# Allegro board SDHCalFEB20180110.brd (continued)
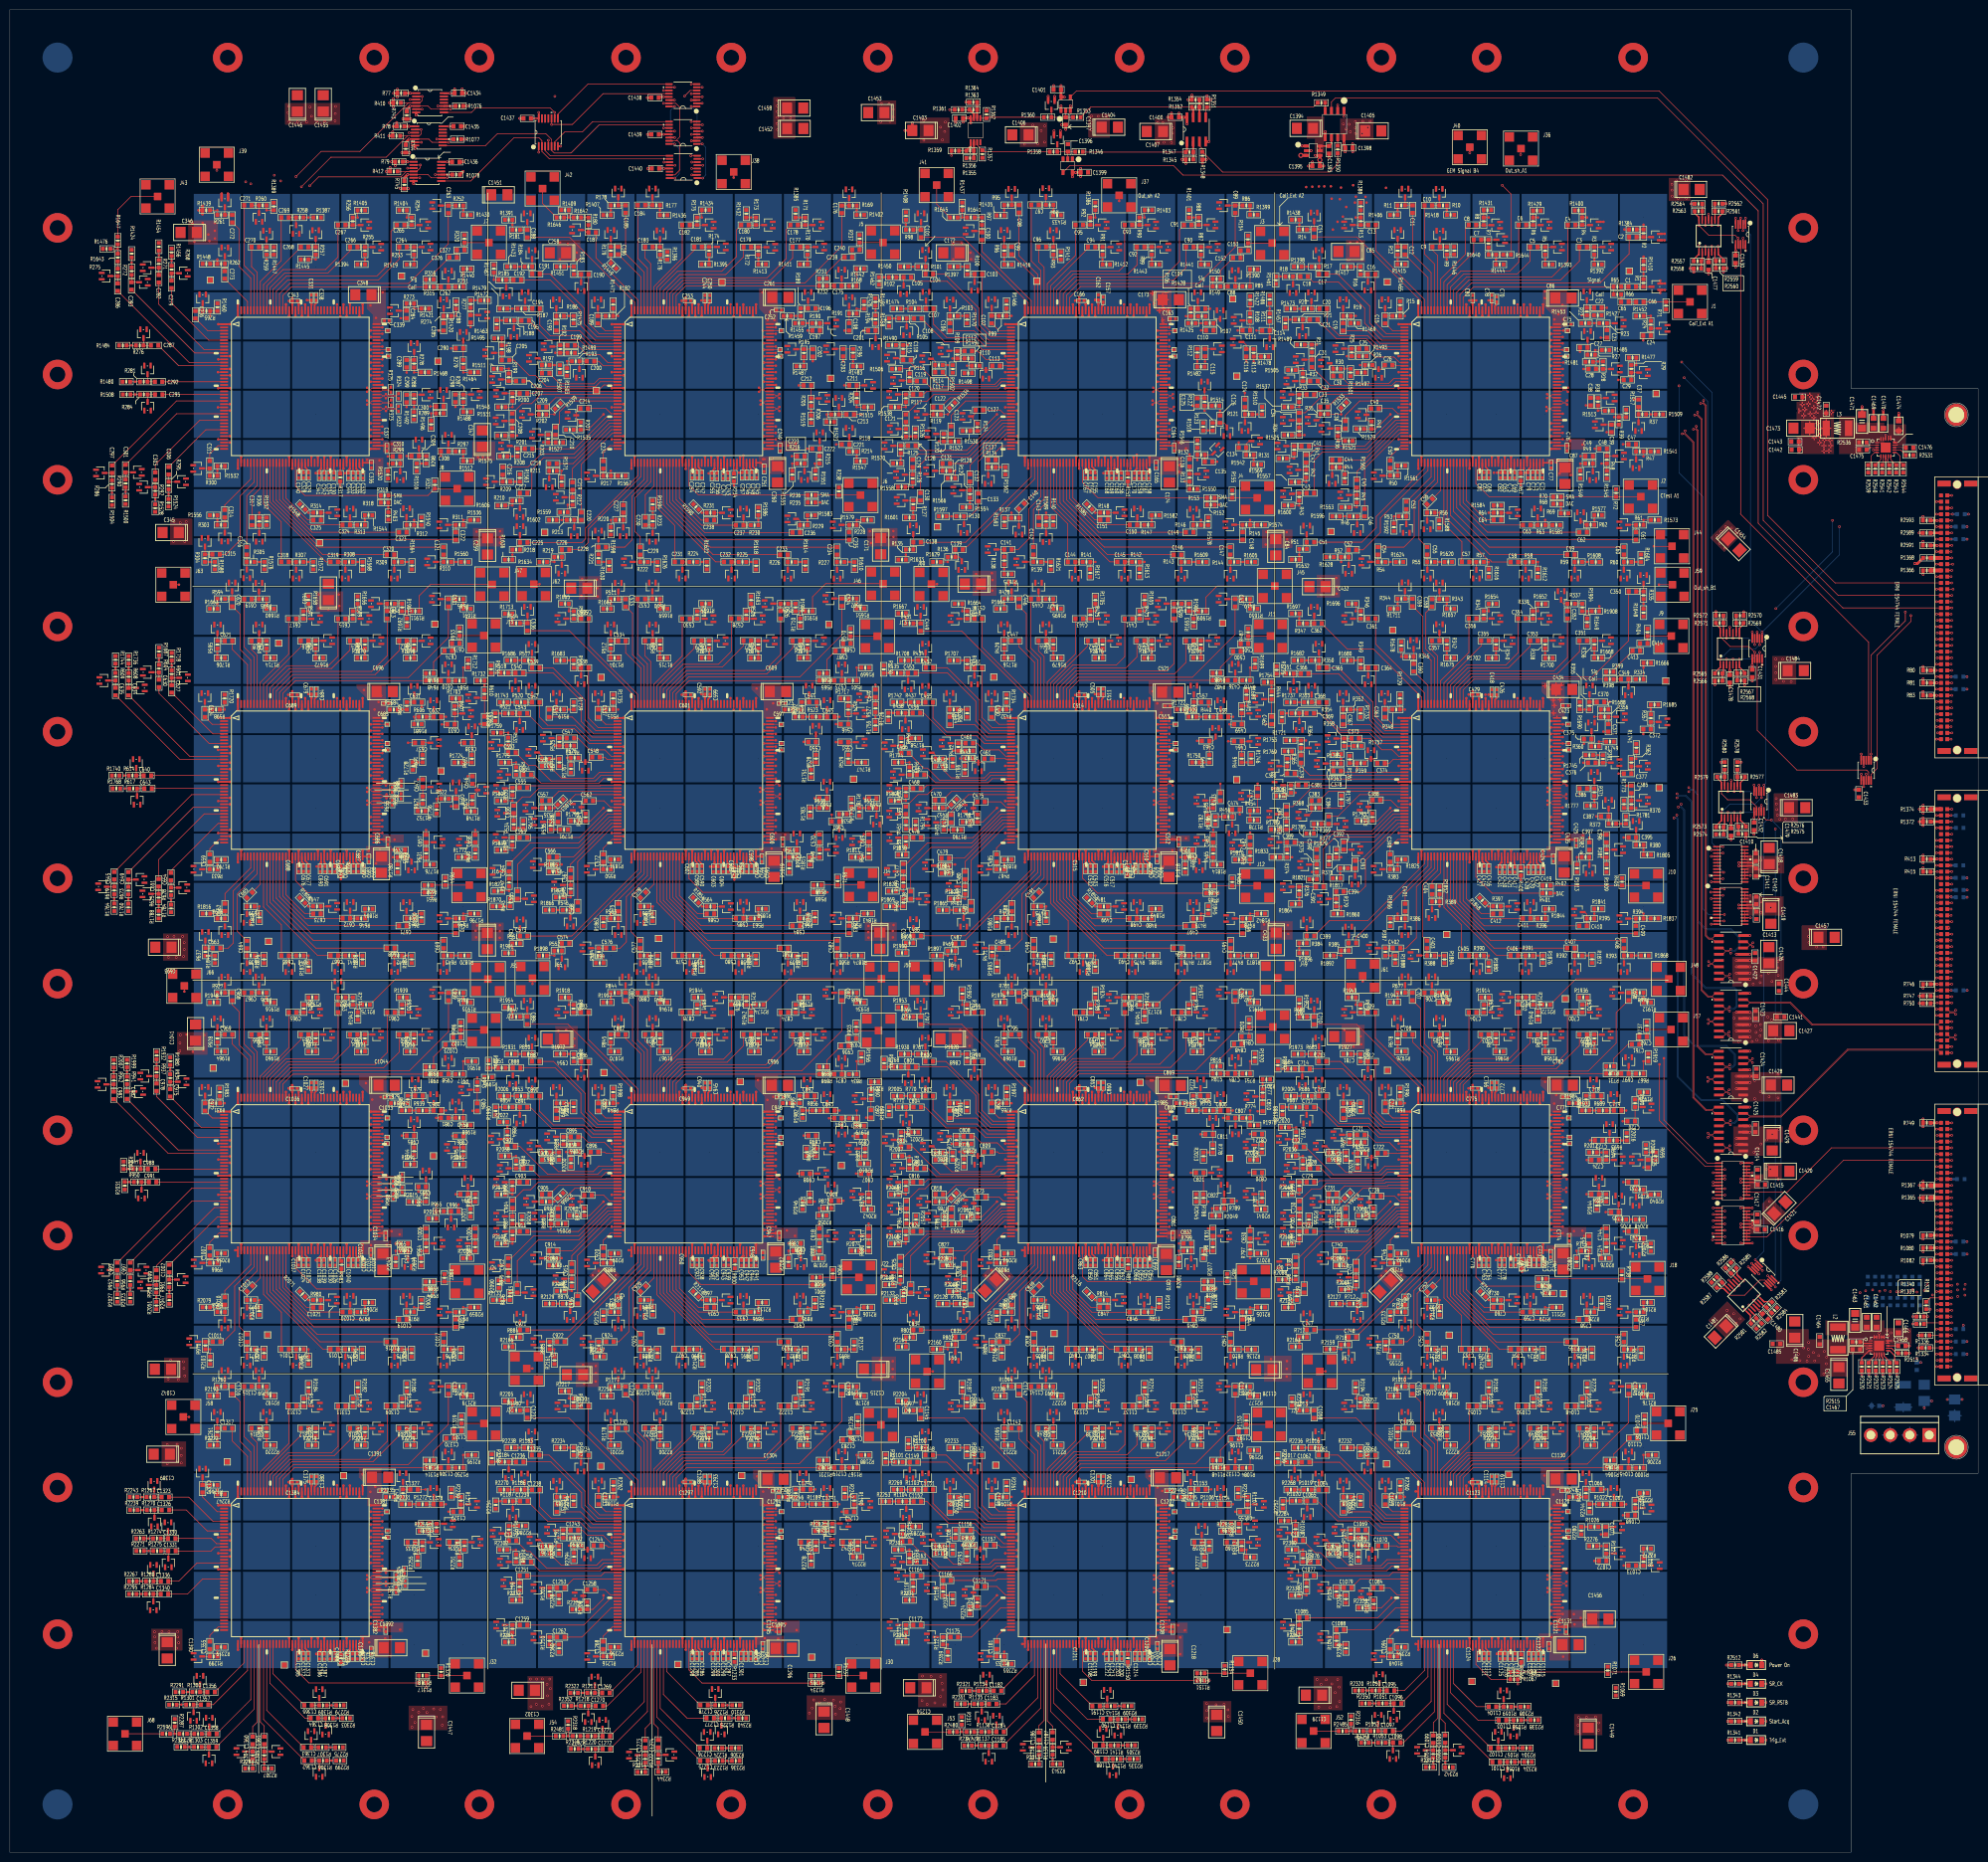
[diagram p0: board, top side]
## Nets (continued)
GND: C67.1 C68.1 C69.1 C70.1 C71.1 C72.1 C73.1 C74.1 C75.2 C76.2 C77.2 C78.2 C79.2 C80.2 C81.2 C82.2 C83.2 C84.2 C85.2 C86.2 C87.2 C154.1 C155.1 C156.1 C157.1 C158.1 C159.1 C160.1 C161.1 C162.2 C163.2 C164.2 C165.2 C166.2 C167.2 C168.2 C169.2 C170.2 C171.2 C172.2 C173.2 C174.2 C241.1 C242.1 C243.1 C244.1 C245.1 C246.1 C247.1 C248.1 C249.2 C250.2 C251.2 C252.2 C253.2 C254.2 C255.2 C256.2 C257.2 C258.2 C259.2 C260.2 C261.2 C328.1 C329.1 C330.1 C331.1 C332.1 C333.1 C334.1 C335.1 C336.2 C337.2 C338.2 C339.2 C340.2 C341.2 C342.2 C343.2 C344.2 C345.2 C346.2 C347.2 C348.2 C415.1 C416.1 C417.1 C418.1 C419.1 C420.1 C421.1 C422.1 C423.2 C424.2 C425.2 C426.2 C427.2 C428.2 C429.2 C430.2 C431.2 C432.2 C433.2 C434.2 C435.2 C502.1 C503.1 C504.1 C505.1 C506.1 C507.1 C508.1 C509.1 C510.2 C511.2 C512.2 C513.2 C514.2 C515.2 C516.2 C517.2 C518.2 C519.2 C520.2 C521.2 C522.2 C589.1 C590.1 C591.1 C592.1 C593.1 C594.1 C595.1 C596.1 C597.2 C598.2 C599.2 C600.2 C601.2 C602.2 C603.2 C604.2 C605.2 C606.2 C607.2 C608.2 C609.2 C676.1 C677.1 C678.1 C679.1 C680.1 C681.1 C682.1 C683.1 C684.2 C685.2 C686.2 C687.2 C688.2 C689.2 C690.2 C691.2 C692.2 C693.2 C694.2 C695.2 C696.2 C763.1 C764.1 C765.1 C766.1 C767.1 C768.1 C769.1 C770.1 C771.2 C772.2 C773.2 C774.2 C775.2 C776.2 C777.2 C778.2 C779.2 C780.2 C781.2 C782.2 C783.2 C850.1 C851.1 C852.1 C853.1 C854.1 C855.1 C856.1 C857.1 C858.2 C859.2 C860.2 C861.2 C862.2 C863.2 C864.2 C865.2 C866.2 C867.2 C868.2 C869.2 C870.2 C937.1 C938.1 C939.1 C940.1 C941.1 C942.1 C943.1 C944.1 C945.2 C946.2 C947.2 C948.2 C949.2 C950.2 C951.2 C952.2 C953.2 C954.2 C955.2 C956.2 C957.2 C1024.1 C1025.1 C1026.1 C1027.1 C1028.1 C1029.1 C1030.1 C1031.1 C1032.2 C1033.2 C1034.2 C1035.2 C1036.2 C1037.2 C1038.2 C1039.2 C1040.2 C1041.2 C1042.2 C1043.2 C1044.2 C1111.1 C1112.1 C1113.1 C1114.1 C1115.1 C1116.1 C1117.1 C1118.1 C1119.2 C1120.2 C1121.2 C1122.2 C1123.2 C1124.2 C1125.2 C1126.2 C1127.2 C1128.2 C1129.2 C1130.2 C1131.2 C1198.1 C1199.1 C1200.1 C1201.1 C1202.1 C1203.1 C1204.1 C1205.1 C1206.2 C1207.2 C1208.2 C1209.2 C1210.2 C1211.2 C1212.2 C1213.2 C1214.2 C1215.2 C1216.2 C1217.2 C1218.2 C1285.1 C1286.1 C1287.1 C1288.1 C1289.1 C1290.1 C1291.1 C1292.1 C1293.2 C1294.2 C1295.2 C1296.2 C1297.2 C1298.2 C1299.2 C1300.2 C1301.2 C1302.2 C1303.2 C1304.2 C1305.2 C1372.1 C1373.1 C1374.1 C1375.1 C1376.1 C1377.1 C1378.1 C1379.1 C1380.2 C1381.2 C1382.2 C1383.2 C1384.2 C1385.2 C1386.2 C1387.2 C1388.2 C1389.2 C1390.2 C1391.2 C1392.2 C1393.2 C1394.2 C1395.2 C1396.2 C1397.2 C1398.2 C1399.2 C1400.2 C1401.2 C1402.2 C1403.2 C1404.2 C1405.2 C1406.2 C1407.2 C1410.2 C1411.2 C1412.2 C1413.2 C1414.2 C1415.2 C1416.2 C1417.2 C1418.2 C1419.2 C1420.2 C1421.2 C1422.2 C1423.2 C1424.2 C1425.2 C1426.2 C1427.2 C1428.2 C1429.2 C1430.2 C1431.2 C1432.2 C1433.2 C1434.2 C1435.2 C1436.2 C1437.2 C1438.2 C1439.2 C1440.2 C1441.2 C1442.2 C1443.2 C1444.2 C1445.2 C1446.2 C1447.2 C1448.2 C1449.2 C1450.2 C1451.2 C1452.2 C1453.2 C1454.2 C1455.2 C1456.2 C1457.2 C1458.2 C1459.2 C1460.2 C1461.2 C1462.2 C1463.2 C1464.2 C1465.2 C1466.1 C1468.2 C1469.2 C1470.2 C1471.2 C1472.2 C1473.2 C1474.1 C1476.2 C1477.2 C1478.2 C1479.2 C1480.2 C1481.2 C1482.2 C1483.2 C1484.2 C1485.2 C1486.2 C1487.2 C1488.2 D6.2(CATHODE) G1.1 G2.1 G3.1 G4.1 GND.1 GND2.1 J1.2 J1.3 J1.4 J1.5 J2.2 J2.3 J2.4 J2.5 J3.2 J3.3 J3.4 J3.5 J4.2 J4.3 J4.4 J4.5 J5.2 J5.3 J5.4 J5.5 J6.2 J6.3 J6.4 J6.5 J7.2 J7.3 J7.4 J7.5 J8.2 J8.3 J8.4 J8.5 J9.2 J9.3 J9.4 J9.5 J10.2 J10.3 J10.4 J10.5 J11.2 J11.3 J11.4 J11.5 J12.2 J12.3 J12.4 J12.5 J13.2 J13.3 J13.4 J13.5 J14.2 J14.3 J14.4 J14.5 J15.2 J15.3 J15.4 J15.5 J16.2 J16.3 J16.4 J16.5 J17.2 J17.3 J17.4 J17.5 J18.2 J18.3 J18.4 J18.5 J19.2 J19.3 J19.4 J19.5 J20.2 J20.3 J20.4 J20.5 J21.2 J21.3 J21.4 J21.5 J22.2 J22.3 J22.4 J22.5 J23.2 J23.3 J23.4 J23.5 J24.2 J24.3 J24.4 J24.5 J25.2 J25.3 J25.4 J25.5 J26.2 J26.3 J26.4 J26.5 J27.2 J27.3 J27.4 J27.5 J28.2 J28.3 J28.4 J28.5 J29.2 J29.3 J29.4 J29.5 J30.2 J30.3 J30.4 J30.5 J31.2 J31.3 J31.4 J31.5 J32.2 J32.3 J32.4 J32.5 J33.1(GND#1) J33.2(GND#2) J33.3(GND#3) J33.4(GND#4) J33.5(GND#5) J33.6(GND#6) J33.A2 J33.A4 J33.A6 J33.A8 J33.A10 J33.A12 J33.A14 J33.A16 J33.A18 J33.A20 J33.A22 J33.A24 J33.A26 J33.A28 J33.A30 J33.A32 J33.A34 J33.A36 J33.A38 J33.A40 J33.B1 J33.B3 J33.B5 J33.B7 J33.B9 J33.B11 J33.B13 J33.B15 J33.B17 J33.B19 J33.B21 J33.B23 J33.B25 J33.B27 J33.B29 J33.B31 J33.B33 J33.B35 J33.B37 J33.B39 J34.1(GND#1) J34.2(GND#2) J34.3(GND#3) J34.4(GND#4) J34.5(GND#5) J34.6(GND#6) J34.A1 J34.A2 J34.A5 J34.A6 J34.A9 J34.A10 J34.A12 J34.A14 J34.A16 J34.A18 J34.A20 J34.A22 J34.A25 J34.A28 J34.A30 J34.A32 J34.A34 J34.A36 J34.A38 J34.A40 J34.B3 J34.B4 J34.B7 J34.B8 J34.B11 J34.B13 J34.B15 J34.B17 J34.B19 J34.B21 J34.B23 J34.B24 J34.B27 J34.B28 J34.B29 J34.B31 J34.B33 J34.B35 J34.B37 J34.B39 J35.1(GND#1) J35.2(GND#2) J35.3(GND#3) J35.4(GND#4) J35.5(GND#5) J35.6(GND#6) J35.A2 J35.A4 J35.A6 J35.A8 J35.A10 J35.A12 J35.A14 J35.A16 J35.A18 J35.A20 J35.A22 J35.A24 J35.A26 J35.A28 J35.A30 J35.A32 J35.A34 J35.A36 J35.A38 J35.A40 J35.B1 J35.B3 J35.B5 J35.B7 J35.B9 J35.B11 J35.B13 J35.B15 J35.B17 J35.B19 J35.B21 J35.B23 J35.B25 J35.B27 J35.B29 J35.B31 J35.B33 J35.B35 J35.B37 J35.B39 J36.2 J36.3 J36.4 J36.5 J37.2 J37.3 J37.4 J37.5 J38.2 J38.3 J38.4 J38.5 J39.2 J39.3 J39.4 J39.5 J40.2 J40.3 J40.4 J40.5 J41.2 J41.3 J41.4 J41.5 J42.2 J42.3 J42.4 J42.5 J43.2 J43.3 J43.4 J43.5 J44.2 J44.3 J44.4 J44.5 J45.2 J45.3 J45.4 J45.5 J46.2 J46.3 J46.4 J46.5 J47.2 J47.3 J47.4 J47.5 J48.2 J48.3 J48.4 J48.5 J49.2 J49.3 J49.4 J49.5 J50.2 J50.3 J50.4 J50.5 J51.2 J51.3 J51.4 J51.5 J52.2 J52.3 J52.4 J52.5 J53.2 J53.3 J53.4 J53.5 J54.2 J54.3 J54.4 J54.5 J55.1 J55.4 J56.2 J56.3 J56.4 J56.5 J57.2 J57.3 J57.4 J57.5 J58.2 J58.3 J58.4 J58.5 J59.2 J59.3 J59.4 J59.5 J60.2 J60.3 J60.4 J60.5 J61.2 J61.3 J61.4 J61.5 J62.2 J62.3 J62.4 J62.5 J63.2 J63.3 J63.4 J63.5 J64.2 J64.3 J64.4 J64.5 J65.2 J65.3 J65.4 J65.5 J66.2 J66.3 J66.4 J66.5 J67.2 J67.3 J67.4 J67.5 J68.2 J68.3 J68.4 J68.5 M1.1(HOLE) M2.1(HOLE) R69.2 R71.2 R72.1 R154.2 R155.1 R237.2 R238.1 R320.2 R321.1 R403.2 R404.2 R405.1 R487.2 R488.1 R570.2 R571.1 R653.2 R654.1 R735.2 R737.2 R738.1 R820.2 R821.1 R903.2 R904.1 R986.2 R987.1 R1069.2 R1070.2 R1071.1 R1153.2 R1154.1 R1236.2 R1237.1 R1319.2 R1320.1 R1333.2 R1334.2 R1335.2 R1336.2 R1337.2 R1345.1 R1348.1 R1351.1 R1354.1 R1355.1 R1357.1 R1362.1 R1364.1 R1384.1 R1385.1 R1386.1 R1387.1 R1388.1 R1389.1 R1390.1 R1391.1 R1392.1 R1393.1 R1394.1 R1395.1 R1396.1 R1397.1 R1398.1 R1399.1 R1400.1 R1401.1 R1402.1 R1403.1 R1404.1 R1405.1 R1406.1 R1407.1 R1408.1 R1409.1 R1410.1 R1411.1 R1412.1 R1413.1 R1414.1 R1415.1 R1416.1 R1417.1 R1418.1 R1419.1 R1420.1 R1421.1 R1422.1 R1423.1 R1424.1 R1425.1 R1426.1 R1427.1 R1428.1 R1429.1 R1430.1 R1431.1 R1432.1 R1433.1 R1434.1 R1435.1 R1436.1 R1437.1 R1438.1 R1439.1 R1440.1 R1441.1 R1442.1 R1443.1 R1444.1 R1445.1 R1446.1 R1447.1 R1448.1 R1449.1 R1450.1 R1451.1 R1452.1 R1453.1 R1454.1 R1455.1 R1456.1 R1457.1 R1458.1 R1459.1 R1460.1 R1461.1 R1462.1 R1463.1 R1464.1 R1465.1 R1466.1 R1467.1 R1468.1 R1469.1 R1470.1 R1471.1 R1472.1 R1473.1 R1474.1 R1475.1 R1476.1 R1477.1 R1478.1 R1479.1 R1480.1 R1481.1 R1482.1 R1483.1 R1484.1 R1485.1 R1486.1 R1487.1 R1488.1 R1489.1 R1490.1 R1491.1 R1492.1 R1493.1 R1494.1 R1495.1 R1496.1 R1497.1 R1498.1 R1499.1 R1500.1 R1501.1 R1502.1 R1503.1 R1504.1 R1505.1 R1506.1 R1507.1 R1508.1 R1509.1 R1510.1 R1511.1 R1512.1 R1513.1 R1514.1 R1515.1 R1516.1 R1517.1 R1518.1 R1519.1 R1520.1 R1521.1 R1522.1 R1523.1 R1524.1 R1525.1 R1526.1 R1527.1 R1528.1 R1529.1 R1530.1 R1531.1 R1532.1 R1533.1 R1534.1 R1535.1 R1536.1 R1537.1 R1538.1 R1539.1 R1540.1 R1541.1 R1542.1 R1543.1 R1544.1 R1545.1 R1546.1 R1547.1 R1548.1 R1549.1 R1550.1 R1551.1 R1552.1 R1553.1 R1554.1 R1555.1 R1556.1 R1557.1 R1558.1 R1559.1 R1560.1 R1561.1 R1562.1 R1563.1 R1564.1 R1565.1 R1566.1 R1567.1 R1568.1 R1569.1 R1570.1 R1571.1 R1572.1 R1573.1 R1574.1 R1575.1 R1576.1 R1577.1 R1578.1 R1579.1 R1580.1 R1581.1 R1582.1 R1583.1 R1584.1 R1585.1 R1586.1 R1588.1 R1589.1 R1590.1 R1592.1 R1593.1 R1594.1 R1596.1 R1597.1 R1598.1 R1600.1 R1601.1 R1602.1 R1604.1 R1605.1 R1606.1 R1608.1 R1609.1 R1610.1 R1612.1 R1613.1 R1614.1 R1616.1 R1617.1 R1618.1 R1620.1 R1621.1 R1622.1 R1624.1 R1625.1 R1626.1 R1628.1 R1629.1 R1630.1 R1632.1 R1633.1 R1634.1 R1636.1 R1648.1 R1649.1 R1650.1 R1651.1 R1652.1 R1653.1 R1654.1 R1655.1 R1656.1 R1657.1 R1658.1 R1659.1 R1660.1 R1661.1 R1662.1 R1663.1 R1664.1 R1665.1 R1666.1 R1667.1 R1668.1 R1669.1 R1670.1 R1671.1 R1672.1 R1673.1 R1674.1 R1675.1 R1676.1 R1677.1 R1678.1 R1679.1 R1680.1 R1681.1 R1682.1 R1683.1 R1684.1 R1685.1 R1686.1 R1687.1 R1688.1 R1689.1 R1690.1 R1691.1 R1692.1 R1693.1 R1694.1 R1695.1 R1696.1 R1697.1 R1698.1 R1699.1 R1700.1 R1701.1 R1702.1 R1703.1 R1704.1 R1705.1 R1706.1 R1707.1 R1708.1 R1709.1 R1710.1 R1711.1 R1712.1 R1713.1 R1714.1 R1715.1 R1716.1 R1717.1 R1718.1 R1719.1 R1720.1 R1721.1 R1722.1 R1723.1 R1724.1 R1725.1 R1726.1 R1727.1 R1728.1 R1729.1 R1730.1 R1731.1 R1732.1 R1733.1 R1734.1 R1735.1 R1736.1 R1737.1 R1738.1 R1739.1 R1740.1 R1741.1 R1742.1 R1743.1 R1744.1 R1745.1 R1746.1 R1747.1 R1748.1 R1749.1 R1750.1 R1751.1 R1752.1 R1753.1 R1754.1 R1755.1 R1756.1 R1757.1 R1758.1 R1759.1 R1760.1 R1761.1 R1762.1 R1763.1 R1764.1 R1765.1 R1766.1 R1767.1 R1768.1 R1769.1 R1770.1 R1771.1 R1772.1 R1773.1 R1774.1 R1775.1 R1776.1 R1777.1 R1778.1 R1779.1 R1780.1 R1781.1 R1782.1 R1783.1 R1784.1 R1785.1 R1786.1 R1787.1 R1788.1 R1789.1 R1790.1 R1791.1 R1792.1 R1793.1 R1794.1 R1795.1 R1796.1 R1797.1 R1798.1 R1799.1 R1800.1 R1801.1 R1802.1 R1803.1 R1804.1 R1805.1 R1806.1 R1807.1 R1808.1 R1809.1 R1810.1 R1811.1 R1812.1 R1813.1 R1814.1 R1815.1 R1816.1 R1817.1 R1818.1 R1819.1 R1820.1 R1821.1 R1822.1 R1823.1 R1824.1 R1825.1 R1826.1 R1827.1 R1828.1 R1829.1 R1830.1 R1831.1 R1832.1 R1833.1 R1834.1 R1835.1 R1836.1 R1837.1 R1838.1 R1839.1 R1840.1 R1841.1 R1842.1 R1843.1 R1844.1 R1845.1 R1846.1 R1848.1 R1849.1 R1850.1 R1852.1 R1853.1 R1854.1 R1856.1 R1857.1 R1858.1 R1860.1 R1861.1 R1862.1 R1864.1 R1865.1 R1866.1 R1868.1 R1869.1 R1870.1 R1872.1 R1873.1 R1874.1 R1876.1 R1877.1 R1878.1 R1880.1 R1881.1 R1882.1 R1884.1 R1885.1 R1886.1 R1888.1 R1889.1 R1890.1 R1892.1 R1893.1 R1894.1 R1896.1 R1897.1 R1898.1 R1900.1 R1901.1 R1912.1 R1913.1 R1914.1 R1915.1 R1916.1 R1917.1 R1918.1 R1919.1 R1920.1 R1921.1 R1922.1 R1923.1 R1924.1 R1925.1 R1926.1 R1927.1 R1928.1 R1929.1 R1930.1 R1931.1 R1932.1 R1933.1 R1934.1 R1935.1 R1936.1 R1937.1 R1938.1 R1939.1 R1940.1 R1941.1 R1942.1 R1943.1 R1944.1 R1945.1 R1946.1 R1947.1 R1948.1 R1949.1 R1950.1 R1951.1 R1952.1 R1953.1 R1954.1 R1955.1 R1956.1 R1957.1 R1958.1 R1959.1 R1960.1 R1961.1 R1962.1 R1963.1 R1964.1 R1965.1 R1966.1 R1967.1 R1968.1 R1969.1 R1970.1 R1971.1 R1972.1 R1973.1 R1974.1 R1975.1 R1976.1 R1977.1 R1978.1 R1979.1 R1980.1 R1981.1 R1982.1 R1983.1 R1984.1 R1985.1 R1986.1 R1987.1 R1988.1 R1989.1 R1990.1 R1991.1 R1992.1 R1993.1 R1994.1 R1995.1 R1996.1 R1997.1 R1998.1 R1999.1 R2000.1 R2001.1 R2002.1 R2003.1 R2004.1 R2005.1 R2006.1 R2007.1 R2008.1 R2009.1 R2010.1 R2011.1 R2012.1 R2013.1 R2014.1 R2015.1 R2016.1 R2017.1 R2018.1 R2019.1 R2020.1 R2021.1 R2022.1 R2023.1 R2024.1 R2025.1 R2026.1 R2027.1 R2028.1 R2029.1 R2030.1 R2031.1 R2032.1 R2033.1 R2034.1 R2035.1 R2036.1 R2037.1 R2038.1 R2039.1 R2040.1 R2041.1 R2042.1 R2043.1 R2044.1 R2045.1 R2046.1 R2047.1 R2048.1 R2049.1 R2050.1 R2051.1 R2052.1 R2053.1 R2054.1 R2055.1 R2056.1 R2057.1 R2058.1 R2059.1 R2060.1 R2061.1 R2062.1 R2063.1 R2064.1 R2065.1 R2066.1 R2067.1 R2068.1 R2069.1 R2070.1 R2071.1 R2072.1 R2073.1 R2074.1 R2075.1 R2076.1 R2077.1 R2078.1 R2079.1 R2080.1 R2081.1 R2082.1 R2083.1 R2084.1 R2085.1 R2086.1 R2087.1 R2088.1 R2089.1 R2090.1 R2091.1 R2092.1 R2093.1 R2094.1 R2095.1 R2096.1 R2097.1 R2098.1 R2099.1 R2100.1 R2101.1 R2102.1 R2103.1 R2104.1 R2105.1 R2106.1 R2107.1 R2108.1 R2109.1 R2111.1 R2112.1 R2113.1 R2115.1 R2116.1 R2117.1 R2119.1 R2120.1 R2121.1 R2123.1 R2124.1 R2125.1 R2127.1 R2128.1 R2129.1 R2131.1 R2132.1 R2133.1 R2135.1 R2136.1 R2137.1 R2139.1 R2140.1 R2141.1 R2143.1 R2144.1 R2145.1 R2147.1 R2148.1 R2149.1 R2151.1 R2152.1 R2153.1 R2155.1 R2156.1 R2157.1 R2159.1 R2160.1 R2161.1 R2163.1 R2164.1 R2165.1 R2176.1 R2177.1 R2178.1 R2179.1 R2180.1 R2181.1 R2182.1 R2183.1 R2184.1 R2185.1 R2186.1 R2187.1 R2188.1 R2189.1 R2190.1 R2191.1 R2192.1 R2193.1 R2194.1 R2195.1 R2196.1 R2197.1 R2198.1 R2199.1 R2200.1 R2201.1 R2202.1 R2203.1 R2204.1 R2205.1 R2206.1 R2207.1 R2208.1 R2209.1 R2210.1 R2211.1 R2212.1 R2213.1 R2214.1 R2215.1 R2216.1 R2217.1 R2218.1 R2219.1 R2220.1 R2221.1 R2222.1 R2223.1 R2224.1 R2225.1 R2226.1 R2227.1 R2228.1 R2229.1 R2230.1 R2231.1 R2232.1 R2233.1 R2234.1 R2235.1 R2236.1 R2237.1 R2238.1 R2239.1 R2240.1 R2241.1 R2242.1 R2243.1 R2244.1 R2245.1 R2246.1 R2247.1 R2248.1 R2249.1 R2250.1 R2251.1 R2252.1 R2253.1 R2254.1 R2255.1 R2256.1 R2257.1 R2258.1 R2259.1 R2260.1 R2261.1 R2262.1 R2263.1 R2264.1 R2265.1 R2266.1 R2267.1 R2268.1 R2269.1 R2270.1 R2271.1 R2272.1 R2273.1 R2274.1 R2275.1 R2276.1 R2277.1 R2278.1 R2279.1 R2280.1 R2281.1 R2282.1 R2283.1 R2284.1 R2285.1 R2286.1 R2287.1 R2288.1 R2289.1 R2290.1 R2291.1 R2292.1 R2293.1 R2294.1 R2295.1 R2296.1 R2297.1 R2298.1 R2299.1 R2300.1 R2301.1 R2302.1 R2303.1 R2304.1 R2305.1 R2306.1 R2307.1 R2308.1 R2309.1 R2310.1 R2311.1 R2312.1 R2313.1 R2314.1 R2315.1 R2316.1 R2317.1 R2318.1 R2319.1 R2320.1 R2321.1 R2322.1 R2323.1 R2324.1 R2325.1 R2326.1 R2327.1 R2328.1 R2330.1 R2331.1 R2332.1 R2334.1 R2335.1 R2336.1 R2338.1 R2339.1 R2340.1 R2342.1 R2343.1 R2344.1 R2346.1 R2347.1 R2348.1 R2350.1 R2351.1 R2352.1 R2354.1 R2355.1 R2356.1 R2358.1 R2359.1 R2360.1 R2362.1 R2363.1 R2364.1 R2513.1 R2520.1 R2521.1 R2522.1 R2523.1 R2524.1 R2525.1 R2531.1 R2539.1 R2540.1 R2541.1 R2542.1 R2543.1 R2544.1 R2558.2 R2560.2 R2562.2 R2564.2 R2566.2 R2568.2 R2570.2 R2572.2 R2574.2 R2576.2 R2578.2 R2580.2 R2582.2 R2584.2 R2586.2 R2588.2 TP2.1 TP6.1 TP7.1 TP13.1 TP21.1 TP22.1 TP26.1 TP27.1 TP32.1 TP33.1 TP37.1 TP38.1 TP43.1 TP44.1 TP48.1 TP49.1 TP54.1 TP55.1 TP59.1 TP60.1 TP65.1 TP66.1 TP70.1 TP71.1 TP76.1 TP77.1 TP81.1 TP82.1 TP87.1 TP88.1 TP92.1 TP93.1 TP98.1 TP99.1 TP103.1 TP104.1 TP109.1 TP110.1 TP114.1 TP115.1 TP120.1 TP121.1 TP122.1 TP123.1 TP131.1 TP132.1 TP133.1 TP134.1 TP142.1 TP143.1 TP147.1 TP148.1 TP153.1 TP154.1 TP158.1 TP159.1 TP164.1 TP165.1 TP166.1 TP167.1 TP175.1 TP176.1 U1.1(P) U1.2(N) U2.1(P) U2.2(N) U3.1(P) U3.2(N) U4.1(P) U4.2(N) U5.1(P) U5.2(N) U6.1(P) U6.2(N) U7.1(P) U7.2(N) U8.1(P) U8.2(N) U9.1(P) U9.2(N) U10.1(P) U10.2(N) U11.1(P) U11.2(N) U12.1(P) U12.2(N) U13.1(P) U13.2(N) U14.1(P) U14.2(N) U15.1(P) U15.2(N) U16.1(P) U16.2(N) U17.1(P) U17.2(N) U18.1(P) U18.2(N) U19.1(P) U19.2(N) U20.1(P) U20.2(N) U21.1(P) U21.2(N) U22.1(P) U22.2(N) U23.1(P) U23.2(N) U24.1(P) U24.2(N) U25.1(P) U25.2(N) U26.1(P) U26.2(N) U27.1(P) U27.2(N) U28.1(P) U28.2(N) U29.1(P) U29.2(N) U30.1(P) U30.2(N) U31.1(P) U31.2(N) U32.1(P) U32.2(N) U33.1(P) U33.2(N) U34.1(P) U34.2(N) U35.1(P) U35.2(N) U36.1(P) U36.2(N) U37.1(P) U37.2(N) U38.1(P) U38.2(N) U39.1(P) U39.2(N) U40.1(P) U40.2(N) U41.1(P) U41.2(N) U42.1(P) U42.2(N) U43.1(P) U43.2(N) U44.1(P) U44.2(N) U45.1(P) U45.2(N) U46.1(P) U46.2(N) U47.1(P) U47.2(N) U48.1(P) U48.2(N) U49.1(P) U49.2(N) U50.1(P) U50.2(N) U51.1(P) U51.2(N) U52.1(P) U52.2(N) U53.1(P) U53.2(N) U54.1(P) U54.2(N) U55.1(P) U55.2(N) U56.1(P) U56.2(N) U57.1(P) U57.2(N) U58.1(P) U58.2(N) U59.1(P) U59.2(N) U60.1(P) U60.2(N) U61.1(P) U61.2(N) U62.1(P) U62.2(N) U63.1(P) U63.2(N) U64.1(P) U64.2(N) U65.1(VSSI#1) U65.21(GND_PA#21) U65.41(VSSI#41) U65.42(GND_PA#42) U65.57(GND_PA#57) U65.58(VSSI#58) U65.64(VSSA#64) U65.66(GND_DAC) U65.69(GND_BG) U65.74(VSSA#74) U65.75(VSSM#75) U65.81(VSSD#81) U65.101(VSSD#101) U65.103(RTN) U65.121(VSSD#121) U65.122(GNDD) U65.125(GND_DISCRI) U65.126(VSSM#126) U65.127(VSSA#127) U65.138(GND_SC) U65.139(VSSA#139) U65.140(GND2_PA) U65.141(GND_CAPA) U65.142(GND_SH) U65.144(VSSI#144) U65.145(GND_PA#145) U65.160(GND_PA#160) U66.1(P) U66.2(N) U67.1(P) U67.2(N) U68.1(P) U68.2(N) U69.1(P) U69.2(N) U70.1(P) U70.2(N) U71.1(P) U71.2(N) U72.1(P) U72.2(N) U73.1(P) U73.2(N) U74.1(P) U74.2(N) U75.1(P) U75.2(N) U76.1(P) U76.2(N) U77.1(P) U77.2(N) U78.1(P) U78.2(N) U79.1(P) U79.2(N) U80.1(P) U80.2(N) U81.1(P) U81.2(N) U82.1(P) U82.2(N) U83.1(P) U83.2(N) U84.1(P) U84.2(N) U85.1(P) U85.2(N) U86.1(P) U86.2(N) U87.1(P) U87.2(N) U88.1(P) U88.2(N) U89.1(P) U89.2(N) U90.1(P) U90.2(N) U91.1(P) U91.2(N) U92.1(P) U92.2(N) U93.1(P) U93.2(N) U94.1(P) U94.2(N) U95.1(P) U95.2(N) U96.1(P) U96.2(N) U97.1(P) U97.2(N) U98.1(P) U98.2(N) U99.1(P) U99.2(N) U100.1(P) U100.2(N) U101.1(P) U101.2(N) U102.1(P) U102.2(N) U103.1(P) U103.2(N) U104.1(P) U104.2(N) U105.1(P) U105.2(N) U106.1(P) U106.2(N) U107.1(P) U107.2(N) U108.1(P) U108.2(N) U109.1(P) U109.2(N) U110.1(P) U110.2(N) U111.1(P) U111.2(N) U112.1(P) U112.2(N) U113.1(P) U113.2(N) U114.1(P) U114.2(N) U115.1(P) U115.2(N) U116.1(P) U116.2(N) U117.1(P) U117.2(N) U118.1(P) U118.2(N) U119.1(P) U119.2(N) U120.1(P) U120.2(N) U121.1(P) U121.2(N) U122.1(P) U122.2(N) U123.1(P) U123.2(N) U124.1(P) U124.2(N) U125.1(P) U125.2(N) U126.1(P) U126.2(N) U127.1(P) U127.2(N) U128.1(P) U128.2(N) U129.1(P) U129.2(N) U130.1(VSSI#1) U130.21(GND_PA#21) U130.41(VSSI#41) U130.42(GND_PA#42) U130.57(GND_PA#57) U130.58(VSSI#58) U130.64(VSSA#64) U130.66(GND_DAC) U130.69(GND_BG) U130.74(VSSA#74) U130.75(VSSM#75) U130.81(VSSD#81) U130.101(VSSD#101) U130.103(RTN) U130.121(VSSD#121) U130.122(GNDD) U130.125(GND_DISCRI) U130.126(VSSM#126) U130.127(VSSA#127) U130.138(GND_SC) U130.139(VSSA#139) U130.140(GND2_PA) U130.141(GND_CAPA) U130.142(GND_SH) U130.144(VSSI#144) U130.145(GND_PA#145) U130.160(GND_PA#160) U131.1(P) U131.2(N) U132.1(P) U132.2(N) U133.1(P) U133.2(N) U134.1(P) U134.2(N) U135.1(P) U135.2(N) U136.1(P) U136.2(N) U137.1(P) U137.2(N) U138.1(P) U138.2(N) U139.1(P) U139.2(N) U140.1(P) U140.2(N) U141.1(P) U141.2(N) U142.1(P) U142.2(N) U143.1(P) U143.2(N) U144.1(P) U144.2(N) U145.1(P) U145.2(N) U146.1(P) U146.2(N) U147.1(P) U147.2(N) U148.1(P) U148.2(N) U149.1(P) U149.2(N) U150.1(P) U150.2(N) U151.1(P) U151.2(N) U152.1(P) U152.2(N) U153.1(P) U153.2(N) U154.1(P) U154.2(N) U155.1(P) U155.2(N) U156.1(P) U156.2(N) U157.1(P) U157.2(N) U158.1(P) U158.2(N) U159.1(P) U159.2(N) U160.1(P) U160.2(N) U161.1(P) U161.2(N) U162.1(P) U162.2(N) U163.1(P) U163.2(N) U164.1(P) U164.2(N) U165.1(P) U165.2(N) U166.1(P) U166.2(N) U167.1(P) U167.2(N) U168.1(P) U168.2(N) U169.1(P) U169.2(N) U170.1(P) U170.2(N) U171.1(P) U171.2(N) U172.1(P) U172.2(N) U173.1(P) U173.2(N) U174.1(P) U174.2(N) U175.1(P) U175.2(N) U176.1(P) U176.2(N) U177.1(P) U177.2(N) U178.1(P) U178.2(N) U179.1(P) U179.2(N) U180.1(P) U180.2(N) U181.1(P) U181.2(N) U182.1(P) U182.2(N) U183.1(P) U183.2(N) U184.1(P) U184.2(N) U185.1(P) U185.2(N) U186.1(P) U186.2(N) U187.1(P) U187.2(N) U188.1(P) U188.2(N) U189.1(P) U189.2(N) U190.1(P) U190.2(N) U191.1(P) U191.2(N) U192.1(P) U192.2(N) U193.1(P) U193.2(N) U194.1(P) U194.2(N) U195.1(VSSI#1) U195.21(GND_PA#21) U195.41(VSSI#41) U195.42(GND_PA#42) U195.57(GND_PA#57) U195.58(VSSI#58) U195.64(VSSA#64) U195.66(GND_DAC) U195.69(GND_BG) U195.74(VSSA#74) U195.75(VSSM#75) U195.81(VSSD#81) U195.101(VSSD#101) U195.103(RTN) U195.121(VSSD#121) U195.122(GNDD) U195.125(GND_DISCRI) U195.126(VSSM#126) U195.127(VSSA#127) U195.138(GND_SC) U195.139(VSSA#139) U195.140(GND2_PA) U195.141(GND_CAPA) U195.142(GND_SH) U195.144(VSSI#144) U195.145(GND_PA#145) U195.160(GND_PA#160) U196.1(P) U196.2(N) U197.1(P) U197.2(N) U198.1(P) U198.2(N) U199.1(P) U199.2(N) U200.1(P) U200.2(N) U201.1(P) U201.2(N) U202.1(P) U202.2(N) U203.1(P) U203.2(N) U204.1(P) U204.2(N) U205.1(P) U205.2(N) U206.1(P) U206.2(N) U207.1(P) U207.2(N) U210.1(P) U210.2(N) U213.1(P) U213.2(N) U216.1(P) U216.2(N) U217.1(P) U217.2(N) U218.1(P) U218.2(N) U219.1(P) U219.2(N) U220.1(P) U220.2(N) U221.1(P) U221.2(N) U222.1(P) U222.2(N) U223.1(P) U223.2(N) U224.1(P) U224.2(N) U226.1(P) U226.2(N) U229.1(P) U229.2(N) U231.1(P) U231.2(N) U232.1(P) U232.2(N) U233.1(P) U233.2(N) U234.1(P) U234.2(N) U235.1(P) U235.2(N) U237.1(P) U237.2(N) U240.1(P) U240.2(N) U242.1(P) U242.2(N) U243.1(P) U243.2(N) U244.1(P) U244.2(N) U245.1(P) U245.2(N) U248.1(P) U248.2(N) U249.1(P) U249.2(N) U250.1(P) 